# Altium PCB EBAZ4205扩展.PcbDoc (part 3 of 3)
Units mm, origin at the board's own origin, x right, y up, seen from the top; angles counter-clockwise.
Board outline 49.66 x 100.01 mm, 4 copper layers (Top Layer, Power1, Power2, Bottom Layer), stack 0.567 mm thick; 110 components, 105 nets, 505 pads, 287 vias.
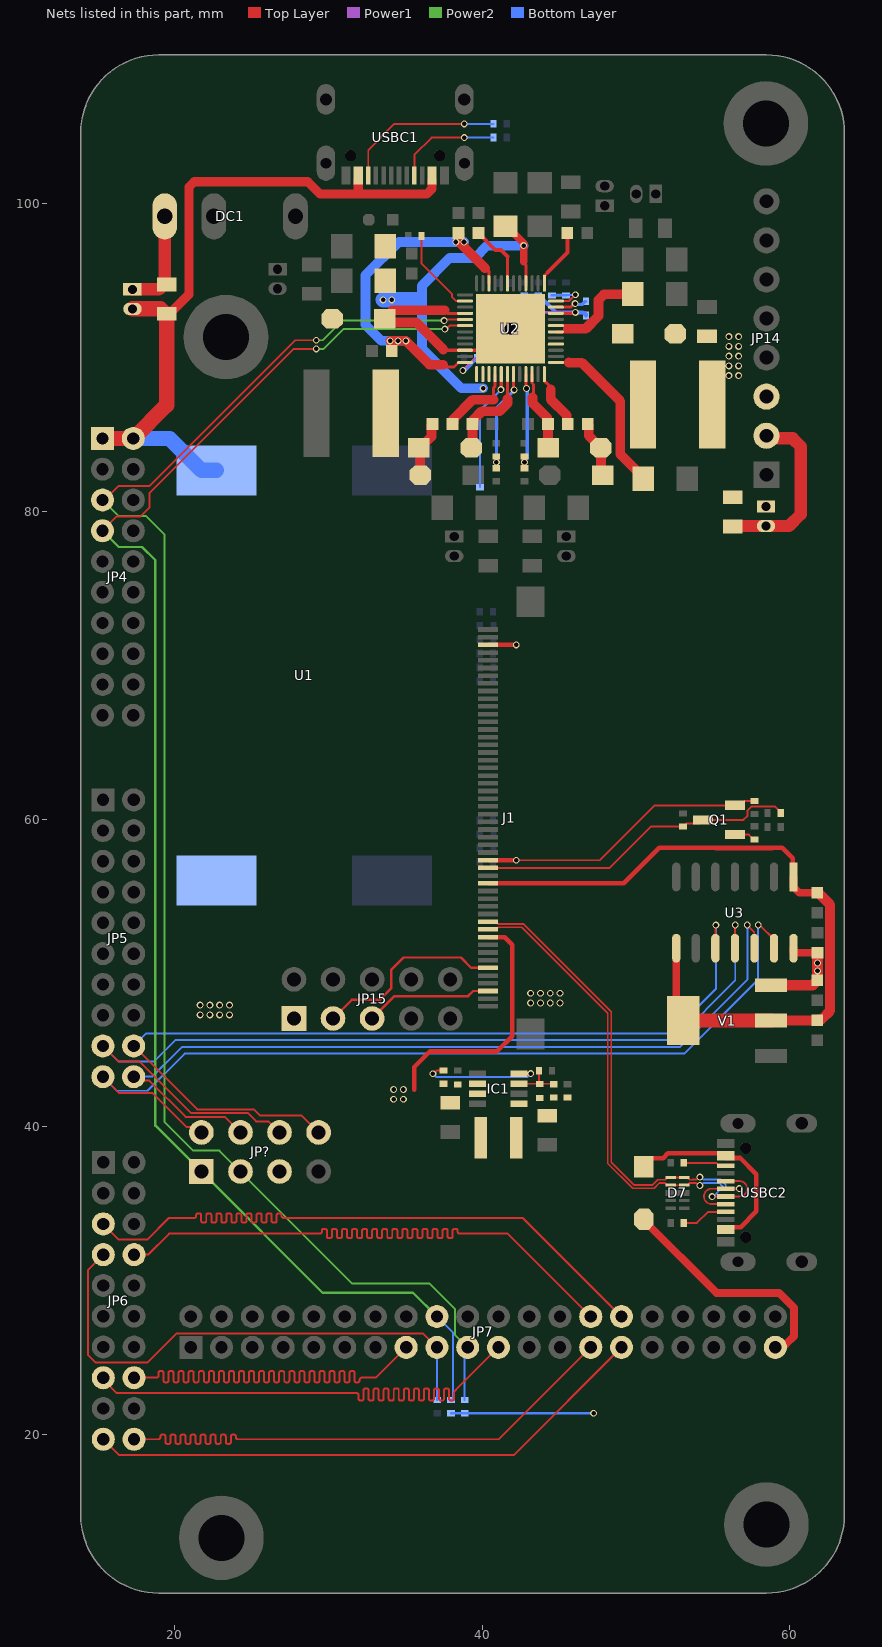
[diagram p5: the nets of this part, all layers, seen from the top]

## Via types
v1: diameter 0.45, hole 0.3, Top Layer to Bottom Layer, tented both sides, 287 vias

## Nets (pads, with @x,y where several pads share a name; then routed paths per layer and width w, separated by ;. In a path a pad name is that pad's centre, name@x,y a point inside that pad or via, vN(x,y) a via of type N, cw(c..) or ccw(c..) an arc to the next point about the centre after c; other vN are vias at no path point) (continued)
HDMI2RGB_P12: JP6.20 JP7.27 | length 39.6
  Top Layer w0.127: JP6.20@17.366,19.684 18.887,19.684 18.951,19.684 ccw(c18.951,19.811) 19.078,19.811 19.078,19.87 cw(c19.192,19.87) 19.192,19.984 19.29,19.984 cw(c19.29,19.87) 19.405,19.87 19.405,19.499 ccw(c19.519,19.499) 19.519,19.384 19.617,19.384 ccw(c19.617,19.499) 19.732,19.499 19.732,19.87 cw(c19.846,19.87) 19.846,19.984 19.944,19.984 cw(c19.944,19.87) 20.059,19.87 20.059,19.499 ccw(c20.173,19.499) 20.173,19.384 20.271,19.384 ccw(c20.271,19.499) 20.386,19.499 20.386,19.87 cw(c20.5,19.87) 20.5,19.984 20.598,19.984 cw(c20.598,19.87) 20.713,19.87 20.713,19.499 ccw(c20.827,19.499) 20.827,19.384 20.925,19.384 ccw(c20.925,19.499) 21.04,19.499 21.04,19.87 cw(c21.154,19.87) 21.154,19.984 21.252,19.984 cw(c21.252,19.87) 21.367,19.87 21.367,19.499 ccw(c21.481,19.499) 21.481,19.384 21.579,19.384 ccw(c21.579,19.499) 21.694,19.499 21.694,19.87 cw(c21.808,19.87) 21.808,19.984 21.906,19.984 cw(c21.906,19.87) 22.021,19.87 22.021,19.499 ccw(c22.135,19.499) 22.135,19.384 22.233,19.384 ccw(c22.233,19.499) 22.348,19.499 22.348,19.87 cw(c22.462,19.87) 22.462,19.984 22.56,19.984 cw(c22.56,19.87) 22.675,19.87 22.675,19.499 ccw(c22.789,19.499) 22.789,19.384 22.887,19.384 ccw(c22.887,19.499) 23.002,19.499 23.002,19.87 cw(c23.116,19.87) 23.116,19.984 23.214,19.984 cw(c23.214,19.87) 23.329,19.87 23.329,19.499 ccw(c23.443,19.499) 23.443,19.384 23.541,19.384 ccw(c23.541,19.499) 23.656,19.499 23.656,19.87 cw(c23.77,19.87) 23.77,19.984 23.868,19.984 cw(c23.868,19.87) 23.983,19.87 23.983,19.811 ccw(c24.11,19.811) 24.11,19.684 24.327,19.684 41.08,19.684 JP7.27@47.057,25.661
HDMI2RGB_P13: JP6.8 JP7.28 | length 45.9
  Top Layer w0.127: JP6.8@17.366,31.684 18.273,31.684 19.647,33.059 22.09,33.059 25.924,33.059 29.384,33.059 29.448,33.059 ccw(c29.448,33.186) 29.575,33.186 29.575,33.245 cw(c29.689,33.245) 29.689,33.359 29.788,33.359 cw(c29.788,33.245) 29.902,33.245 29.902,32.874 ccw(c30.016,32.874) 30.016,32.759 30.115,32.759 ccw(c30.115,32.874) 30.229,32.874 30.229,33.245 cw(c30.343,33.245) 30.343,33.359 30.442,33.359 cw(c30.442,33.245) 30.556,33.245 30.556,32.874 ccw(c30.67,32.874) 30.67,32.759 30.769,32.759 ccw(c30.769,32.874) 30.883,32.874 30.883,33.245 cw(c30.997,33.245) 30.997,33.359 31.096,33.359 cw(c31.096,33.245) 31.21,33.245 31.21,32.874 ccw(c31.324,32.874) 31.324,32.759 31.423,32.759 ccw(c31.423,32.874) 31.537,32.874 31.537,33.245 cw(c31.651,33.245) 31.651,33.359 31.75,33.359 cw(c31.75,33.245) 31.864,33.245 31.864,32.874 ccw(c31.978,32.874) 31.978,32.759 32.077,32.759 ccw(c32.077,32.874) 32.191,32.874 32.191,33.245 cw(c32.305,33.245) 32.305,33.359 32.404,33.359 cw(c32.404,33.245) 32.518,33.245 32.518,32.874 ccw(c32.632,32.874) 32.632,32.759 32.731,32.759 ccw(c32.731,32.874) 32.845,32.874 32.845,33.245 cw(c32.959,33.245) 32.959,33.359 33.058,33.359 cw(c33.058,33.245) 33.172,33.245 33.172,32.874 ccw(c33.286,32.874) 33.286,32.759 33.385,32.759 ccw(c33.385,32.874) 33.499,32.874 33.499,33.245 cw(c33.613,33.245) 33.613,33.359 33.712,33.359 cw(c33.712,33.245) 33.826,33.245 33.826,32.874 ccw(c33.94,32.874) 33.94,32.759 34.039,32.759 ccw(c34.039,32.874) 34.153,32.874 34.153,33.245 cw(c34.267,33.245) 34.267,33.359 34.366,33.359 cw(c34.366,33.245) 34.48,33.245 34.48,32.874 ccw(c34.594,32.874) 34.594,32.759 34.693,32.759 ccw(c34.693,32.874) 34.807,32.874 34.807,33.245 cw(c34.921,33.245) 34.921,33.359 35.02,33.359 cw(c35.02,33.245) 35.134,33.245 35.134,32.874 ccw(c35.248,32.874) 35.248,32.759 35.347,32.759 ccw(c35.347,32.874) 35.461,32.874 35.461,33.245 cw(c35.575,33.245) 35.575,33.359 35.674,33.359 cw(c35.674,33.245) 35.788,33.245 35.788,32.874 ccw(c35.902,32.874) 35.902,32.759 36.001,32.759 ccw(c36.001,32.874) 36.115,32.874 36.115,33.245 cw(c36.229,33.245) 36.229,33.359 36.328,33.359 cw(c36.328,33.245) 36.442,33.245 36.442,32.874 ccw(c36.556,32.874) 36.556,32.759 36.655,32.759 ccw(c36.655,32.874) 36.769,32.874 36.769,33.245 cw(c36.883,33.245) 36.883,33.359 36.982,33.359 cw(c36.982,33.245) 37.096,33.245 37.096,32.874 ccw(c37.21,32.874) 37.21,32.759 37.309,32.759 ccw(c37.309,32.874) 37.423,32.874 37.423,33.245 cw(c37.537,33.245) 37.537,33.359 37.636,33.359 cw(c37.636,33.245) 37.75,33.245 37.75,32.874 ccw(c37.864,32.874) 37.864,32.759 37.963,32.759 ccw(c37.963,32.874) 38.077,32.874 38.077,33.245 cw(c38.191,33.245) 38.191,33.359 38.29,33.359 cw(c38.29,33.245) 38.404,33.245 38.404,33.186 ccw(c38.531,33.186) 38.531,33.059 38.785,33.059 41.658,33.059 JP7.28@47.057,27.661
HDMI2RGB_P14: JP6.19 JP7.29 | length 37
  Top Layer w0.127: JP6.19@15.366,19.684 16.392,18.659 42.055,18.659 JP7.29@49.057,25.661
HDMI2RGB_P15: JP6.5 JP7.30 | length 45.8
  Top Layer w0.127: JP6.5@15.366,33.684 16.383,32.668 18.214,32.668 19.615,34.069 21.215,34.069 21.278,34.069 ccw(c21.278,34.196) 21.405,34.196 21.405,34.254 cw(c21.52,34.254) 21.52,34.369 21.618,34.369 cw(c21.618,34.254) 21.732,34.254 21.732,33.883 ccw(c21.847,33.883) 21.847,33.769 21.945,33.769 ccw(c21.945,33.883) 22.059,33.883 22.059,34.254 cw(c22.174,34.254) 22.174,34.369 22.272,34.369 cw(c22.272,34.254) 22.386,34.254 22.386,33.883 ccw(c22.501,33.883) 22.501,33.769 22.599,33.769 ccw(c22.599,33.883) 22.713,33.883 22.713,34.254 cw(c22.828,34.254) 22.828,34.369 22.926,34.369 cw(c22.926,34.254) 23.04,34.254 23.04,33.883 ccw(c23.155,33.883) 23.155,33.769 23.253,33.769 ccw(c23.253,33.883) 23.367,33.883 23.367,34.254 cw(c23.482,34.254) 23.482,34.369 23.58,34.369 cw(c23.58,34.254) 23.694,34.254 23.694,33.883 ccw(c23.809,33.883) 23.809,33.769 23.907,33.769 ccw(c23.907,33.883) 24.021,33.883 24.021,34.254 cw(c24.136,34.254) 24.136,34.369 24.234,34.369 cw(c24.234,34.254) 24.348,34.254 24.348,33.883 ccw(c24.463,33.883) 24.463,33.769 24.561,33.769 ccw(c24.561,33.883) 24.675,33.883 24.675,34.254 cw(c24.79,34.254) 24.79,34.369 24.888,34.369 cw(c24.888,34.254) 25.002,34.254 25.002,33.883 ccw(c25.117,33.883) 25.117,33.769 25.215,33.769 ccw(c25.215,33.883) 25.329,33.883 25.329,34.254 cw(c25.444,34.254) 25.444,34.369 25.542,34.369 cw(c25.542,34.254) 25.656,34.254 25.656,33.883 ccw(c25.771,33.883) 25.771,33.769 25.869,33.769 ccw(c25.869,33.883) 25.983,33.883 25.983,34.254 cw(c26.098,34.254) 26.098,34.369 26.196,34.369 cw(c26.196,34.254) 26.31,34.254 26.31,33.883 ccw(c26.425,33.883) 26.425,33.769 26.523,33.769 ccw(c26.523,33.883) 26.637,33.883 26.637,34.254 cw(c26.752,34.254) 26.752,34.369 26.85,34.369 cw(c26.85,34.254) 26.964,34.254 26.964,34.196 ccw(c27.091,34.196) 27.091,34.069 27.37,34.069 42.648,34.069 JP7.30@49.057,27.661
HDMI2RGB_PCLK: JP6.16 JP7.15 | length 43.8
  Top Layer w0.127: JP6.16@17.366,23.684 18.765,23.684 18.828,23.684 ccw(c18.828,23.811) 18.955,23.811 18.955,24.004 cw(c19.07,24.004) 19.07,24.118 19.168,24.118 cw(c19.168,24.004) 19.282,24.004 19.282,23.499 ccw(c19.397,23.499) 19.397,23.384 19.495,23.384 ccw(c19.495,23.499) 19.609,23.499 19.609,24.004 cw(c19.724,24.004) 19.724,24.118 19.822,24.118 cw(c19.822,24.004) 19.936,24.004 19.936,23.499 ccw(c20.051,23.499) 20.051,23.384 20.149,23.384 ccw(c20.149,23.499) 20.263,23.499 20.263,24.004 cw(c20.378,24.004) 20.378,24.118 20.476,24.118 cw(c20.476,24.004) 20.59,24.004 20.59,23.499 ccw(c20.705,23.499) 20.705,23.384 20.803,23.384 ccw(c20.803,23.499) 20.917,23.499 20.917,24.004 cw(c21.032,24.004) 21.032,24.118 21.13,24.118 cw(c21.13,24.004) 21.244,24.004 21.244,23.499 ccw(c21.359,23.499) 21.359,23.384 21.457,23.384 ccw(c21.457,23.499) 21.571,23.499 21.571,24.004 cw(c21.686,24.004) 21.686,24.118 21.784,24.118 cw(c21.784,24.004) 21.898,24.004 21.898,23.499 ccw(c22.013,23.499) 22.013,23.384 22.111,23.384 ccw(c22.111,23.499) 22.225,23.499 22.225,24.004 cw(c22.34,24.004) 22.34,24.118 22.438,24.118 cw(c22.438,24.004) 22.552,24.004 22.552,23.499 ccw(c22.667,23.499) 22.667,23.384 22.765,23.384 ccw(c22.765,23.499) 22.879,23.499 22.879,24.004 cw(c22.994,24.004) 22.994,24.118 23.092,24.118 cw(c23.092,24.004) 23.206,24.004 23.206,23.499 ccw(c23.321,23.499) 23.321,23.384 23.419,23.384 ccw(c23.419,23.499) 23.533,23.499 23.533,24.004 cw(c23.648,24.004) 23.648,24.118 23.746,24.118 cw(c23.746,24.004) 23.86,24.004 23.86,23.499 ccw(c23.975,23.499) 23.975,23.384 24.073,23.384 ccw(c24.073,23.499) 24.187,23.499 24.187,24.004 cw(c24.302,24.004) 24.302,24.118 24.4,24.118 cw(c24.4,24.004) 24.514,24.004 24.514,23.499 ccw(c24.629,23.499) 24.629,23.384 24.727,23.384 ccw(c24.727,23.499) 24.841,23.499 24.841,24.004 cw(c24.956,24.004) 24.956,24.118 25.054,24.118 cw(c25.054,24.004) 25.168,24.004 25.168,23.499 ccw(c25.283,23.499) 25.283,23.384 25.381,23.384 ccw(c25.381,23.499) 25.495,23.499 25.495,24.004 cw(c25.61,24.004) 25.61,24.118 25.708,24.118 cw(c25.708,24.004) 25.822,24.004 25.822,23.499 ccw(c25.937,23.499) 25.937,23.384 26.035,23.384 ccw(c26.035,23.499) 26.149,23.499 26.149,24.004 cw(c26.264,24.004) 26.264,24.118 26.362,24.118 cw(c26.362,24.004) 26.476,24.004 26.476,23.499 ccw(c26.591,23.499) 26.591,23.384 26.689,23.384 ccw(c26.689,23.499) 26.803,23.499 26.803,24.004 cw(c26.918,24.004) 26.918,24.118 27.016,24.118 cw(c27.016,24.004) 27.13,24.004 27.13,23.499 ccw(c27.245,23.499) 27.245,23.384 27.343,23.384 ccw(c27.343,23.499) 27.457,23.499 27.457,24.004 cw(c27.572,24.004) 27.572,24.118 27.67,24.118 cw(c27.67,24.004) 27.784,24.004 27.784,23.499 ccw(c27.899,23.499) 27.899,23.384 27.997,23.384 ccw(c27.997,23.499) 28.111,23.499 28.111,24.004 cw(c28.226,24.004) 28.226,24.118 28.324,24.118 cw(c28.324,24.004) 28.438,24.004 28.438,23.499 ccw(c28.553,23.499) 28.553,23.384 28.651,23.384 ccw(c28.651,23.499) 28.765,23.499 28.765,24.004 cw(c28.88,24.004) 28.88,24.118 28.978,24.118 cw(c28.978,24.004) 29.092,24.004 29.092,23.499 ccw(c29.207,23.499) 29.207,23.384 29.305,23.384 ccw(c29.305,23.499) 29.419,23.499 29.419,24.004 cw(c29.534,24.004) 29.534,24.118 29.632,24.118 cw(c29.632,24.004) 29.746,24.004 29.746,23.499 ccw(c29.861,23.499) 29.861,23.384 29.959,23.384 ccw(c29.959,23.499) 30.073,23.499 30.073,24.004 cw(c30.188,24.004) 30.188,24.118 30.286,24.118 cw(c30.286,24.004) 30.4,24.004 30.4,23.499 ccw(c30.515,23.499) 30.515,23.384 30.613,23.384 ccw(c30.613,23.499) 30.727,23.499 30.727,24.004 cw(c30.842,24.004) 30.842,24.118 30.94,24.118 cw(c30.94,24.004) 31.054,24.004 31.054,23.499 ccw(c31.169,23.499) 31.169,23.384 31.267,23.384 ccw(c31.267,23.499) 31.381,23.499 31.381,24.004 cw(c31.496,24.004) 31.496,24.118 31.594,24.118 cw(c31.594,24.004) 31.708,24.004 31.708,23.499 ccw(c31.823,23.499) 31.823,23.384 31.921,23.384 ccw(c31.921,23.499) 32.035,23.499 32.035,23.557 cw(c32.162,23.557) 32.162,23.684 32.377,23.684 33.08,23.684 JP7.15@35.057,25.661
HDMI2RGB_VS: JP6.15 JP7.21 | length 40.6
  Top Layer w0.127: JP6.15@15.366,23.684 15.366,23.554 16.238,22.682 31.579,22.682 31.833,22.682 cw(c31.833,22.555) 31.96,22.555 31.96,22.316 ccw(c32.074,22.316) 32.074,22.201 32.172,22.201 ccw(c32.172,22.316) 32.287,22.316 32.287,22.867 cw(c32.401,22.867) 32.401,22.982 32.499,22.982 cw(c32.499,22.867) 32.614,22.867 32.614,22.316 ccw(c32.728,22.316) 32.728,22.201 32.826,22.201 ccw(c32.826,22.316) 32.941,22.316 32.941,22.867 cw(c33.055,22.867) 33.055,22.982 33.153,22.982 cw(c33.153,22.867) 33.268,22.867 33.268,22.316 ccw(c33.382,22.316) 33.382,22.201 33.48,22.201 ccw(c33.48,22.316) 33.595,22.316 33.595,22.867 cw(c33.709,22.867) 33.709,22.982 33.807,22.982 cw(c33.807,22.867) 33.922,22.867 33.922,22.316 ccw(c34.036,22.316) 34.036,22.201 34.134,22.201 ccw(c34.134,22.316) 34.249,22.316 34.249,22.867 cw(c34.363,22.867) 34.363,22.982 34.461,22.982 cw(c34.461,22.867) 34.576,22.867 34.576,22.316 ccw(c34.69,22.316) 34.69,22.201 34.788,22.201 ccw(c34.788,22.316) 34.903,22.316 34.903,22.867 cw(c35.017,22.867) 35.017,22.982 35.115,22.982 cw(c35.115,22.867) 35.23,22.867 35.23,22.316 ccw(c35.344,22.316) 35.344,22.201 35.442,22.201 ccw(c35.442,22.316) 35.557,22.316 35.557,22.867 cw(c35.671,22.867) 35.671,22.982 35.769,22.982 cw(c35.769,22.867) 35.884,22.867 35.884,22.316 ccw(c35.998,22.316) 35.998,22.201 36.096,22.201 ccw(c36.096,22.316) 36.211,22.316 36.211,22.867 cw(c36.325,22.867) 36.325,22.982 36.423,22.982 cw(c36.423,22.867) 36.538,22.867 36.538,22.316 ccw(c36.652,22.316) 36.652,22.201 36.75,22.201 ccw(c36.75,22.316) 36.865,22.316 36.865,22.867 cw(c36.979,22.867) 36.979,22.982 37.077,22.982 cw(c37.077,22.867) 37.192,22.867 37.192,22.316 ccw(c37.306,22.316) 37.306,22.201 37.404,22.201 ccw(c37.404,22.316) 37.519,22.316 37.519,22.867 cw(c37.633,22.867) 37.633,22.982 37.731,22.982 cw(c37.731,22.867) 37.846,22.867 37.846,22.316 ccw(c37.96,22.316) 37.96,22.201 38.058,22.201 ccw(c38.058,22.316) 38.173,22.316 38.173,22.696 cw(c38.368,22.696) 38.23,22.834 38.293,22.897 JP7.21@41.057,25.661
HUB_N: D7.5 D7.6 J1.12 USBC2.A7 USBC2.B7 | length 34.2
  Top Layer w0.117: J1.12@40.392,53.33 40.892,53.33 41.033,53.189 42.667,53.189 48.384,47.472 48.384,37.703 49.866,36.221 51.085,36.221 51.425,36.56 51.907,36.56 51.976,36.629 51.976,36.66 52.017,36.701 D7.6@52.255,36.701 D7.5@53.13,36.701 53.367,36.701 53.409,36.66 53.409,36.629 53.477,36.56 53.65,36.56 53.653,36.563 53.918,36.563 54.084,36.728 v1(54.153,36.728) v1@54.126,36.701 ; USBC2.B7@55.817,34.974 54.915,34.974 cw(c54.915,35.469) 54.42,35.469 cw(c54.925,35.469) 54.925,35.974 USBC2.A7@55.817,35.974 ; USBC2.A7@55.822,35.979 USBC2.A7@55.831,35.97 55.837,35.975 56.704,35.975 v1(56.71,35.981)
  Bottom Layer w0.117: v1(54.153,36.728) 54.222,36.728 54.388,36.563 55.505,36.563 55.832,36.236 55.832,36.098 55.948,35.981 v1(56.71,35.981)
HUB_P: D7.4 D7.7 J1.11 USBC2.A6 USBC2.B6 | length 33.8
  Top Layer w0.117: J1.11@40.392,52.83 40.892,52.83 41.033,52.971 42.577,52.971 48.165,47.382 48.165,37.612 49.775,36.002 51.176,36.002 51.515,36.342 51.907,36.342 51.976,36.274 51.976,36.243 52.017,36.201 D7.7@52.255,36.201 D7.4@53.13,36.201 53.367,36.201 53.409,36.243 53.409,36.274 53.477,36.342 53.741,36.342 53.743,36.344 53.918,36.344 54.084,36.178 v1(54.153,36.178) v1@54.13,36.201 ; v1(54.951,35.459) 54.957,35.464 55.824,35.464 USBC2.A6@55.83,35.47 ; USBC2.B6@55.83,36.47 56.731,36.47 cw(c56.731,35.975) 57.226,35.975 cw(c56.721,35.975) 56.721,35.47 USBC2.A6@55.83,35.47 ; USBC2.A6@55.839,35.46 USBC2.A6@55.83,35.47
  Bottom Layer w0.117: v1(54.153,36.178) 54.222,36.178 54.388,36.344 55.415,36.344 55.613,36.146 55.613,36.049 55.023,35.459 v1(54.951,35.459)
KB_VBUS: D8.1 USBC2.A4 USBC2.A9 USBC2.B4 USBC2.B9 | length 13
  Top Layer w0.3: D8.1@50.508,37.416 50.508,37.479 50.993,37.964 51.76,37.964 52.066,38.27 USBC2.A9@55.83,38.27 ; USBC2.B4@55.83,37.97 56.764,37.97 57.823,36.911 57.823,34.496 56.797,33.47 USBC2.B9@55.834,33.47
NetC1_2: C1.2 IC1.7 R5.2 R6.2 | length 3.1
  Top Layer w0.127: IC1.7@42.4,42.798 C1.2@43.716,42.798 ; R6.2@43.681,43.633 43.681,42.833 C1.2@43.716,42.798 ; C1.2@43.733,42.781 C1.2@43.716,42.798 ; R5.2@44.655,42.764 44.621,42.798 C1.2@43.716,42.798
NetC9_2: C9.2 C11.2 D1.2 U2.37 U2.42 U2.43 | length 17.8
  Top Layer w0.2: U2.42@44.79,91.685 45.526,91.685 45.532,91.691 ; U2.43@44.79,92.085 45.627,92.085 ; U2.37@45.219,89.685 45.634,89.685
  Top Layer w0.635: 45.586,91.884 46.731,91.884 47.554,92.707 47.554,93.748 47.926,94.12 49.762,94.12 C9.2@49.787,94.145 ; 45.634,89.685 45.644,89.675 46.472,89.675 48.977,87.17 48.977,83.716 50.473,82.22 C11.2@50.473,82.131
NetC10_1: C10.1 C12.1 C15.1 D2.1 U2.4 U2.16 U2.22 U2.26 U2.27 U2.49 U2.49_1 | length 37.1
  Top Layer w0.2: 37.471,90.539 37.524,90.485 U2.22@38.889,90.485 40.439,90.485 41.814,91.859 U2.49@41.839,91.859 ; 37.547,93.079 37.741,92.885 U2.16@38.889,92.885 ; 42.703,96.171 42.839,96.034 U2.4@42.839,94.835
  Top Layer w0.508: C15.1@41.509,98.533 41.598,98.533 42.697,97.434 v1(42.697,97.282) 42.703,97.276 42.703,96.247
  Top Layer w0.635: D2.1@34.033,92.291 35.718,92.291 37.471,90.539 ; D2.1@34.169,93.079 37.547,93.079
  Bottom Layer w0.635: v1(40.061,88.009) 38.654,88.009 36.081,90.582 36.081,93.764 36.081,94.68 37.884,96.482 39.517,96.482 40.317,97.282 v1(42.697,97.282)
  Bottom Layer w1: v1(33.559,93.764) v1(34.118,93.764) 35.718,93.764
NetC14_2: C14.2 U2.1 | length 3.9
  Top Layer w0.2: U2.1@44.039,94.835 44.039,95.329 44.252,95.542
  Top Layer w0.254: 44.252,95.542 45.558,96.848 45.558,98.082 C14.2@45.533,98.108
NetC16_2: C16.2 U2.7 | length 4.3
  Top Layer w0.2: U2.7@41.639,94.835 41.639,96.589
  Top Layer w0.254: C16.2@39.757,98.108 40.849,97.016 41.213,97.016 41.639,96.589
NetC17_2: C17.2 D4.1 U2.34 | length 5.3
  Top Layer w0.2: U2.34@43.239,88.934 43.239,88.351 43.329,88.261 43.329,87.488 43.262,87.42
  Top Layer w0.635: 43.262,87.42 43.262,87.059 44.212,86.109 44.212,85.751 C17.2@44.275,85.687 44.279,85.683 44.279,84.142 D4.1@44.283,84.138
NetC18_1: C18.1 D5.2 U2.30 | length 6.5
  Top Layer w0.2: 41.639,87.316 U2.30@41.639,88.934
  Top Layer w0.635: D5.2@39.292,84.138 39.36,84.206 39.36,85.624 39.427,85.624 39.427,85.976 39.97,86.519 41.121,86.519 41.639,87.037 41.639,87.316
NetC22_1: C22.1 D3.1 D4.2 | length 3.8
  Top Layer w0.635: C22.1@46.866,85.687 46.93,85.624 46.93,84.921 D4.2@47.712,84.138 D4.2@47.717,84.133 ; D4.2@47.769,84.081 D4.2@47.717,84.133 ; D3.1@47.827,82.36 47.717,82.47 D4.2@47.717,84.133
NetC22_2: C22.2 U2.36 | length 3.9
  Top Layer w0.2: U2.36@44.039,88.934 44.039,88.506 44.456,88.09 44.456,87.948
  Top Layer w0.635: 44.456,87.948 44.456,87.287 45.503,86.24 45.503,85.751 C22.2@45.566,85.687
NetC23_1: C23.1 U2.28 | length 5.2
  Top Layer w0.2: 40.73,87.271 40.73,88.038 40.839,88.147 U2.28@40.839,88.934
  Top Layer w0.635: C23.1@38.063,85.687 38.126,85.751 38.126,86.013 39.384,87.271 40.73,87.271
NetC23_2: C23.2 D5.1 D6.2 | length 3.7
  Top Layer w0.635: D6.2@35.978,82.36 35.978,84.189 36.244,84.455 36.295,84.455 36.706,84.866 36.706,85.63 C23.2@36.763,85.687
NetD1_1: D1.1 L2.1 U2.40
NetD2_2: D2.2 L3.1 U2.25
NetIC1_3: IC1.3 L1.1
NetIC1_8: IC1.8 R4.1 | length 8.1
  Top Layer w0.127: v1(36.793,43.448) 36.842,43.448 37.043,43.649 R4.1@37.484,43.649 ; IC1.8@42.4,43.448 42.406,43.454 v1(43.156,43.454)
  Bottom Layer w0.127: v1(36.793,43.448) 36.806,43.448 37.029,43.225 42.92,43.225 43.149,43.454 v1(43.156,43.454)
NetJ1_19: J1.19 Q1.3 R34.2 R37.1 | length 21.1
  Top Layer w0.127: J1.19@40.392,56.83 48.286,56.83 50.98,59.524 53.108,59.524 53.296,59.712 54.108,59.712 Q1.3@54.344,59.949 56.986,59.949 57.258,60.221 57.258,60.57 57.496,60.808 59.046,60.808 59.409,60.444 R34.2@59.409,60.394
NetQ1_1: Q1.1 R36.1 | length 1.4
  Top Layer w0.127: Q1.1@56.444,58.999 57.343,58.999 57.656,58.686 R36.1@57.706,58.686
NetR1_1: R1.1 USBC1.B5 | length 10.5
  Top Layer w0.127: USBC1.B5@32.591,101.843 32.591,103.5 34.289,105.199 v1(38.832,105.199)
  Bottom Layer w0.127: v1(38.832,105.199) 40.733,105.199 R1.1@40.745,105.211
NetR2_2: R2.2 USBC1.A5 | length 7
  Top Layer w0.127: USBC1.A5@35.591,101.843 35.592,103.191 36.71,104.31 v1(38.832,104.31)
  Bottom Layer w0.127: v1(38.832,104.31) 40.733,104.31 R2.2@40.745,104.322
NetR20_2: R20.2 R22.1 U2.33 | length 6.3
  Top Layer w0.2: U2.33@42.839,88.934 42.84,88.04 v1(42.881,87.999)
  Top Layer w0.356: R20.2@42.747,82.817 v1(42.747,83.201) R22.1@42.747,83.586
  Bottom Layer w0.2: v1(42.881,87.999) 42.927,87.953 42.927,83.449
NetR21_2: R21.2 R23.1 U2.31 | length 7
  Top Layer w0.152: R21.2@40.918,82.817 v1(40.918,83.201) R23.1@40.918,83.586
  Top Layer w0.2: U2.31@42.039,88.934 42.04,87.945 v1(42.076,87.909)
  Bottom Layer w0.2: v1(40.918,83.201) 40.918,86.725 42.076,87.882 v1(42.076,87.909)
NetR25_1: R25.1 R26.1 U2.47 | length 3
  Top Layer w0.152: U2.47@44.79,93.685 45.644,93.685 46.054,94.095 v1(46.056,94.095)
  Bottom Layer w0.152: R26.1@44.532,94.051 R25.1@45.446,94.051 45.468,94.073 46.034,94.073 v1(46.056,94.095)
NetR29_1: R29.1 U2.14 | length 5.8
  Top Layer w0.127: R29.1@36.043,97.917 36.043,96.143 38.046,94.139 38.046,93.944 38.305,93.686 38.888,93.686 U2.14@38.889,93.685
NetR39_1: R39.1 USBC2.B5 | length 2.8
  Top Layer w0.127: R39.1@53.107,37.657 55.217,37.657 55.405,37.47 USBC2.B5@55.83,37.47
NetR40_2: R40.2 USBC2.A5 | length 3
  Top Layer w0.127: R40.2@53.107,33.746 53.962,33.746 54.686,34.47 USBC2.A5@55.829,34.47
RESET: JP6.7 JP7.17 R10.2 | length 34.4
  Top Layer w0.127: JP6.7@15.366,31.684 14.365,30.683 14.365,25.165 14.865,24.665 18.228,24.665 20.136,26.574 36.143,26.574 JP7.17@37.057,25.661
  Bottom Layer w0.127: JP7.17@37.057,25.661 37.057,22.252 R10.2@37.084,22.225
RXD: J1.3 JP15.5 | length 8.3
  Top Layer w0.152: JP15.5@32.842,47.041 34.295,48.494 39.086,48.494 39.422,48.83 J1.3@40.392,48.83
SCL: JP4.5 JP7.19 JP?.3 R8.1 U2.17 | length 101.9
  Top Layer w0.127: JP4.5@15.316,80.751 15.458,80.751 16.374,81.667 18.387,81.667 27.856,91.135 v1(29.21,91.135) ; v1(37.524,92.407) 37.591,92.407 37.669,92.485 U2.17@38.889,92.485
  Power2 w0.127: JP4.5@15.316,80.751 16.363,79.703 18.154,79.703 19.337,78.521 19.337,40.332 21.223,38.446 22.908,38.446 24.271,37.084 24.282,37.084 31.558,29.808 36.589,29.808 38.229,28.169 38.229,26.488 JP7.19@39.057,25.661 ; v1(29.21,91.135) 29.634,91.135 30.906,92.407 v1(37.524,92.407)
  Bottom Layer w0.127: R8.1@38.862,22.225 38.862,25.466 JP7.19@39.057,25.661
SDA: JP4.7 JP7.18 JP?.1 R9.1 U2.18 | length 100
  Top Layer w0.127: JP4.7@15.316,78.751 16.254,79.689 17.799,79.689 18.36,80.249 18.36,81.187 27.749,90.576 v1(29.21,90.576) ; v1(37.572,91.859) 37.652,91.859 37.877,92.085 U2.18@38.889,92.085
  Power2 w0.127: v1(29.21,90.576) 29.686,90.576 30.969,91.859 v1(37.572,91.859)
  Power2 w0.155: JP4.7@15.316,78.751 16.372,77.695 17.886,77.695 18.749,76.832 18.749,40.077 21.742,37.084 29.614,29.213 35.505,29.213 JP7.18@37.057,27.661
  Bottom Layer w0.127: JP7.18@37.057,27.661 38.109,26.608 38.109,22.361 R9.1@37.973,22.225
SPI_MISO: JP5.19 JP?.2 U3.13 | length 59.4
  Top Layer w0.127: JP5.19@15.341,43.256 16.412,42.185 18.576,42.185 20.778,39.983 21.392,39.983 JP?.2@21.744,39.63 ; v1(57.945,53.115) 58.032,53.115 58.972,52.176 U3.13@58.972,51.611
  Bottom Layer w0.127: JP5.19@15.341,43.256 16.255,42.342 18.24,42.342 20.659,44.761 53.131,44.761 57.945,49.574 v1(57.945,53.115)
SPI_MOSI: JP5.20 JP?.4 U3.12 | length 56.2
  Top Layer w0.127: JP5.20@17.341,43.256 17.591,43.006 18.363,43.006 20.724,40.644 23.271,40.644 JP?.4@24.284,39.63 ; v1(57.234,53.115) 57.688,52.662 57.688,51.625 U3.12@57.702,51.611
  Bottom Layer w0.127: JP5.20@17.341,43.256 17.354,43.269 18.561,43.269 20.488,45.196 52.863,45.196 57.234,49.566 v1(57.234,53.115)
SPI_SCLK: JP5.17 JP?.6 U3.11 | length 62.7
  Top Layer w0.127: JP5.17@15.341,45.256 16.363,44.234 17.735,44.234 21.061,40.908 24.749,40.908 25.301,40.357 26.098,40.357 JP?.6@26.824,39.63 ; U3.11@56.432,51.611 56.441,51.62 56.441,53.112 v1(56.45,53.121)
  Bottom Layer w0.127: JP5.17@15.341,45.256 16.362,44.235 18.654,44.235 20.05,45.631 52.569,45.631 56.45,49.512 v1(56.45,53.121)
SPI_SS1: JP5.18 JP?.8 U3.10 | length 59.4
  Top Layer w0.127: JP5.18@17.341,45.256 21.461,41.135 25.154,41.135 25.542,40.747 28.248,40.747 JP?.8@29.364,39.63 ; U3.10@55.162,51.611 55.177,51.627 55.177,53.094 v1(55.192,53.11)
  Bottom Layer w0.127: JP5.18@17.341,45.256 18.154,46.068 52.303,46.068 55.192,48.958 v1(55.192,53.11)
TXD: J1.6 JP15.3 | length 12.7
  Top Layer w0.152: JP15.3@30.302,47.041 31.512,48.251 33.332,48.251 34.096,49.014 34.096,50.215 34.883,51.003 38.619,51.003 39.292,50.33 J1.6@40.392,50.33
V3P3: C28.1 U2.46 | length 2.2
  Top Layer w0.2: U2.46@44.79,93.285 45.743,93.285 45.979,93.52 v1(46.046,93.52)
  Bottom Layer w0.2: v1(46.046,93.52) 46.138,93.52 46.204,93.455 46.524,93.455 46.533,93.463 46.533,93.512 46.546,93.512 46.697,93.663 C28.1@46.749,93.663
VCC_1V8_ROM: C32.2 C33.2 J1.17 U3.1 U3.8 V1.2 V1.4 | length 47.4
  Top Layer w0.3: J1.17@40.392,55.83 49.214,55.83 51.514,58.13 55.18,58.13 55.184,58.126 58.85,58.126 58.854,58.13 59.52,58.13 60.202,57.448 60.202,56.283 U3.1@60.242,56.243
  Top Layer w0.5: U3.8@52.622,51.611 52.622,47.352 V1.4@53.07,46.904 ; U3.1@60.242,56.243 60.242,55.577 60.61,55.208 C33.2@61.787,55.208
  Top Layer w0.65: V1.2@58.77,46.904 58.781,46.915 61.778,46.915 61.846,46.982 62.058,46.982 62.625,47.549 62.625,54.433 61.906,55.152 61.843,55.152 C33.2@61.787,55.208
  Top Layer w0.9: V1.4@53.07,46.904 V1.2@58.77,46.904
VCC_3V3: C1.1 C4.2 C27.1 C31.2 C34.1 IC1.5 J1.20 J1.48 JP14.3 JP15.1 JP?.5 L1.2 Q1.2 R5.1 R7.2 R8.2 R9.2 R28.2 R30.2 R31.2 R35.1 U2.45 U3.14 V1.3 | length 52.9
  Top Layer w0.127: v1(42.215,57.328) 47.633,57.328 51.204,60.899 56.794,60.899 57.082,61.187 R35.1@57.706,61.187
  Top Layer w0.2: U2.45@44.79,92.885 45.921,92.885 45.988,92.952 v1(46.056,92.952)
  Top Layer w0.3: J1.20@40.392,57.33 42.213,57.33 v1(42.215,57.328) ; J1.48@40.392,71.33 42.213,71.33 v1(42.215,71.328)
  Top Layer w0.5: U3.14@60.242,51.611 60.242,51.339 60.261,51.32 C34.1@61.799,51.32
  Top Layer w0.7: V1.3@58.77,49.204 61.468,49.204 C31.2@61.791,49.528 61.791,49.552 61.798,49.559 v1(61.798,50.14) v1(61.798,50.648) C34.1@61.798,51.319
  Power1 w0.152: v1(38.741,89.167) 40.322,90.748 41.545,90.748 43.748,92.952 v1(46.056,92.952)
  Bottom Layer w0.152: R9.2@37.973,21.375 v1(47.248,21.375) ; v1(38.741,89.167) 38.778,89.204 38.948,89.204 39.674,89.93 R30.2@39.674,89.98
  Bottom Layer w0.254: R28.2@42.728,94.051 R31.2@43.642,94.051 43.692,94.051 44.791,92.952 v1(46.056,92.952) 46.527,92.952 46.607,92.871 46.676,92.871 46.749,92.798 C27.1@46.749,92.748
  other v1: 43.153,48.046 43.788,48.046 44.423,48.046 45.058,48.046 43.153,48.681 43.788,48.681 44.423,48.681 45.058,48.681
VCC_5V0: C2.2 C3.2 D8.2 IC1.2 J1.10 JP7.39 JP8.2 JP14.2 R4.2 R11.2 U1.3 | length 43.6
  Top Layer w0.3: 35.586,42.416 35.586,43.887 36.592,44.893 40.958,44.893 41.949,45.884 41.949,51.846 41.466,52.33 J1.10@40.392,52.33
  Top Layer w0.508: D8.2@50.508,33.987 50.508,33.923 55.239,29.192 59.302,29.192 60.269,28.225 60.269,26.383 59.737,25.85 59.246,25.85 JP7.39@59.057,25.661
  Top Layer w0.8: R11.2@56.292,79.025 56.328,79.061 59.951,79.061 60.71,79.82 60.71,84.23 60.185,84.756 58.649,84.756 JP14.2@58.477,84.928
  other v1: 34.237,41.788 34.872,41.788 34.237,42.423 34.872,42.423 21.663,47.271 22.298,47.271 22.933,47.271 23.568,47.271 21.663,47.906 22.298,47.906 22.933,47.906 23.568,47.906
VCC_5V0_EPD_PWR: C5.2 C6.1 C7.2 JP8.1 L2.2 R11.1 U2.10 U2.24 | length 23.4
  Top Layer w0.2: 37.445,89.548 37.598,89.396 38.171,89.396 38.461,89.685 U2.24@38.889,89.685 ; 40.188,95.822 40.251,95.759 40.322,95.759 40.439,95.642 U2.10@40.439,94.835
  Top Layer w0.635: v1(34.016,91.097) v1(35.032,91.097) 36.582,89.548 37.445,89.548 ; C5.2@38.461,98.108 38.525,98.044 38.525,97.485 40.188,95.822
  Bottom Layer w0.635: v1(35.032,91.097) v1(34.524,91.097) v1(34.016,91.097) 33.457,91.097 32.416,92.139 32.416,95.365 34.575,97.524 37.801,97.524 38.309,97.524 v1(38.817,97.524)
  other v1: 56.039,88.832 56.674,88.832 56.039,89.467 56.674,89.467 56.039,90.102 56.674,90.102 56.039,90.737 56.674,90.737 56.039,91.372 56.674,91.372 38.283,97.524
VCC_12V0: JP3.2 JP4.1 JP4.2 R3.2 U1.1 USBC1.A4 USBC1.A9 USBC1.B4 USBC1.B9 | length 46.1
  Top Layer w0.6: R3.2@19.482,92.856 19.673,92.856 20.932,94.115 20.932,101.091 21.283,101.442 28.663,101.442 29.47,100.635 36.385,100.635 36.74,100.991 USBC1.B9@36.74,101.531 ; 31.94,100.987 USBC1.A9@31.94,101.527
  Top Layer w1: JP4.1@15.316,84.751 JP4.2@17.316,84.751 19.482,86.917 R3.2@19.482,92.856 19.403,92.856 19.088,93.171 JP3.2@17.263,93.171
  Bottom Layer w1: JP4.2@17.316,84.751 19.674,84.751 21.748,82.677 U1.1@22.723,82.677
VCC_12V0_T: DC1.1 JP3.1 R3.1 | length 6.8
  Top Layer w0.8: JP3.1@17.263,94.441 18.977,94.441 19.292,94.756 R3.1@19.403,94.756 ; DC1.1@19.359,99.19 19.359,94.8 R3.1@19.403,94.756 ; R3.1@19.482,94.756 R3.1@19.403,94.756
VEE_DIS: R33.1 U2.29 | length 7.5
  Top Layer w0.2: v1(41.214,87.921) 41.239,87.946 U2.29@41.239,88.506
  Bottom Layer w0.127: 39.832,86.539 39.853,86.518 R33.1@39.853,81.578
  Bottom Layer w0.152: 39.832,86.539 v1(41.214,87.921)
pads on no net: D7.1 D7.2 D7.9 D7.10 IC1.1 JP4.9 JP5.1 JP5.2 JP5.9 JP6.1 JP6.2 JP6.9 JP7.1 JP7.2 JP7.3 JP7.4 JP7.5 JP7.6 JP7.7 JP7.8 JP7.9 JP7.10 JP7.11 JP7.12 JP7.13 JP7.14 JP7.16 JP7.31 JP7.32 JP7.33 JP7.34 JP7.35 JP7.36 JP7.37 JP7.38 U2.11 U2.13 U2.20 U2.38 U2.39 U3.6 U3.9 USBC1. USBC1.A6 USBC1.A7 USBC1.A8 USBC1.B6 USBC1.B7 USBC1.B8 USBC2. USBC2.A8 USBC2.B8

## Polygon pours and split planes (outlines as drawn)
NetD2_2 on Top Layer "NETD2_2_L01_P069" (solid, remove dead copper, pour order 69): 39.545,88.84 39.545,89.368 39.731,89.368 39.731,88.471 39.005,87.745 35.717,87.745 34.548,86.583 34.548,83.612 34.503,83.568 32.415,83.568 32.016,83.967 32.016,87.611 29.597,90.03 29.597,92.342 30.892,92.342 30.892,90.678 32.263,89.307 32.275,89.319 35.204,89.319 35.762,88.761 39.466,88.761
EPD_VCOM_T on Top Layer "EPD_VCOM_T_L01_P085" (solid, remove dead copper, pour order 85): 35.926,94.61 35.752,94.436 34.677,94.436 34.529,94.585 34.529,95.838 34.69,96 35.831,96 35.926,95.905
VCC_5V0_EPD_PWR on Top Layer "VCC_5V0_EPD_PWR_L01_P087" (solid, remove dead copper, pour order 87): 39.22,98.772 39.172,98.819 37.775,98.819 37.623,98.667 37.623,97.346 37.75,97.219 39.009,97.219 39.22,97.429
VCC_5V0_EPD_PWR on Top Layer "VCC_5V0_EPD_PWR_L01_P089" (solid, remove dead copper, pour order 89): 33.737,91.478 33.737,89.954 35.489,89.954 35.489,91.25 35.261,91.478
NetC10_1 on Top Layer "NETC10_1_L01_P091" (solid, remove dead copper, pour order 91): 32.756,91.884 34.402,91.884 34.402,91.885 34.402,98.036 32.694,98.036 32.388,97.73 32.388,92.252
NetD1_1 on Top Layer "NETD1_1_L01_P095" (solid, remove dead copper, pour order 95): 48.393,91.359 48.012,90.979 44.884,90.979 44.691,90.786 45.368,90.786 45.79,90.364 48.044,90.364 48.393,90.02 48.393,88.557 49.586,87.364 49.586,84.062 49.637,84.011 51.288,84.011 51.593,84.316 51.593,91.113 50.389,92.317 48.545,92.317 48.393,92.164
VCC_5V0_EPD_PWR on Top Layer "VCC_5V0_EPD_PWR_L01_P098" (solid, remove dead copper, pour order 98): 55.183,84.114 55.657,83.64 55.657,80.343 56.107,79.894 59.106,79.894 59.106,80.763 58.971,80.899 57.459,80.899 56.965,81.393 56.965,84.303 57.283,84.62 57.283,91.326 56.631,91.977 53.701,91.977 53.701,84.114
NetC9_2 on Top Layer "NETC9_2_L01_P101" (solid, remove dead copper, pour order 101): 48.85,93.383 49.205,93.028 49.84,93.028 51.745,91.123 51.745,84.29 51.085,83.63 49.434,83.63 49.434,81.293 49.79,80.937 51.999,80.937 52.427,81.365 52.427,83.031 53.574,84.178 53.574,91.876 53.007,92.444 52.507,92.444 50.887,94.064 50.887,94.953 50.704,95.136 49.104,95.136 48.85,94.882
NetC10_1 on Top Layer "NETC10_1_L01_P102" (solid, remove dead copper, pour order 102): 40.536,88.583 40.536,88.27 40.315,88.049 40.315,87.795 40.265,87.745 39.858,87.745 39.807,87.795 39.807,88.227 39.942,88.362 39.942,88.583 40.138,88.583 40.138,88.38 40.163,88.354 40.315,88.354 40.341,88.38 40.341,88.583
VCC_5V0 on Top Layer "VCC_5V0_L01_P103" (solid, pour order 103): 24.185,48.11 23.859,48.436 21.421,48.436 21.033,48.047 21.033,46.858 26.682,41.144 38.56,41.144 38.687,41.271 38.687,42.312 38.949,42.573 40.242,42.573 40.242,43.023 29.272,43.023
NetIC1_3 on Top Layer "NETIC1_3_L01_P104" (solid, remove dead copper, pour order 104): 39.149,42.373 40.972,42.373 41.304,42.041 41.304,37.893 39.5,37.893 39.5,40.619 40.288,40.619 40.491,40.822 40.491,41.838 40.406,41.923 39.149,41.923
VCC_3V3 on Top Layer "VCC_3V3_L01_P120" (solid, pour order 120): 42.867,47.373 42.548,47.691 42.548,48.979 42.9,49.331 45.84,49.331 47.908,47.263 47.908,40.792 47.229,40.112 42.933,40.112 42.624,39.803 42.624,37.893 41.405,37.893 41.405,41.728 43.056,41.728 43.511,42.182 45.924,42.182 46.346,42.605 46.346,46.185 45.158,47.373
GND on Top Layer "GND_L01_P130" (solid, remove dead copper, pour order 130): 13.892,14.762 13.892,104.602 cw(c18.972,104.602) 18.972,109.682 58.465,109.682 58.471,109.688 cw(c58.471,104.608) 63.551,104.572 63.541,104.57 63.541,14.767 63.55,14.761 cw(c58.47,14.761) 58.47,9.681 58.456,9.682 18.972,9.682 cw(c18.972,14.762)
EPD_VPOS_+15V on Top Layer "EPD_VPOS_+15V_L01_P121" (solid, pour order 121): 41.049,58.678 41.049,59.488 37.949,59.488 37.82,59.359 37.82,58.805 37.948,58.678
EPD_VNEG_-15V on Top Layer "EPD_VNEG_-15V_L01_P062" (solid, pour order 62): 41.049,57.678 41.049,58.488 37.949,58.488 37.82,58.359 37.82,57.805 37.948,57.678
VCC_5V0 on Bottom Layer "VCC_5V0_L04_P113" (solid, pour order 113): 20.109,57.544 20.109,58.481 29.877,68.248 46.169,68.248 57.699,79.779 59.203,79.779 59.203,75.803 47.438,64.037 31.738,64.037 25.245,57.544
GND on Bottom Layer "GND_L04_P136" (solid, remove dead copper, pour order 136): 13.892,14.762 13.892,104.602 cw(c18.972,104.602) 18.972,109.682 58.465,109.682 58.471,109.688 cw(c58.471,104.608) 63.551,104.572 63.541,104.57 63.541,14.767 63.55,14.761 cw(c58.47,14.761) 58.47,9.681 58.456,9.682 18.972,9.682 cw(c18.972,14.762)
VCC_5V0 on Bottom Layer "VCC_5V0_L04_P132" (solid, pour order 132): 20.109,57.634 20.109,47.579 21.051,46.637 24.376,46.637 25.309,47.57 25.309,57.608
NetC10_1 on Bottom Layer "NETC10_1_L04_P122" (solid, remove dead copper, pour order 122): 38.944,93.663 45.681,93.663 47.022,92.322 47.021,92.322 47.021,89.091 46.554,88.624 39.745,88.624 38.074,90.295 38.074,92.792
EPD_VNEG_-15V on Bottom Layer "EPD_VNEG_-15V_L04_P119" (solid, pour order 119): 40.067,58.369 37.981,58.369 37.825,58.213 37.825,57.126 37.984,56.968 40.069,56.968
EPD_VPOS_+15V on Bottom Layer "EPD_VPOS_+15V_L04_P117" (solid, pour order 117): 40.07,60.139 37.984,60.139 37.828,59.984 37.828,58.896 37.987,58.738 40.072,58.738
EPD_VEE_-20V on Bottom Layer "EPD_VEE_-20V_L04_P116" (solid, pour order 116): 40.048,73.717 39.263,73.717 39.107,73.561 39.107,72.474 39.266,72.315 40.05,72.315
EPD_VGG_+22V on Bottom Layer "EPD_VGG_+22V_L04_P115" (solid, pour order 115): 40.048,71.909 39.263,71.909 39.107,71.754 39.107,70.667 39.266,70.508 40.05,70.508
EPD_VCOM on Bottom Layer "EPD_VCOM_L04_P114" (solid, pour order 114): 40.048,70.102 39.263,70.102 39.107,69.947 39.107,68.859 39.266,68.701 40.05,68.701
VCC_3V3 on Power2 "VCC_3V3_L03_P134" (solid, remove dead copper, pour order 134): 22.596,19.95 58.852,19.95 62.761,23.86 62.761,91.147 58.195,95.714 23.806,95.714 18.619,90.528 18.619,23.927
VCC_5V0 on Power2 "VCC_5V0_L03_P128" (solid, pour order 128): 60.275,24.288 58.127,24.288 41.236,41.179 33.965,41.179 33.661,41.484 33.661,42.694 33.991,43.025 42.179,43.025 55.988,29.215 60.446,29.215 61.487,28.175 61.487,25.5
VCC_5V0_EPD_PWR on Power2 "VCC_5V0_EPD_PWR_L03_P131" (solid, pour order 131): 33.591,89.018 36.312,86.297 57.036,86.297 57.069,92.471 34.758,92.471 33.591,91.303
GND on Power2 "GND_L03_P135" (solid, remove dead copper, pour order 135): 13.892,14.762 13.892,104.602 cw(c18.972,104.602) 18.972,109.682 58.465,109.682 58.471,109.688 cw(c58.471,104.608) 63.551,104.572 63.541,104.57 63.541,14.767 63.55,14.761 cw(c58.47,14.761) 58.47,9.681 58.456,9.682 18.972,9.682 cw(c18.972,14.762)
GND on Power1 "GND_L02_P127" (solid, remove dead copper, pour order 127): 13.892,14.762 13.892,104.602 cw(c18.972,104.602) 18.972,109.682 58.465,109.682 58.471,109.688 cw(c58.471,104.608) 63.551,104.572 63.541,104.57 63.541,14.767 63.55,14.761 cw(c58.47,14.761) 58.47,9.681 58.456,9.682 18.972,9.682 cw(c18.972,14.762)

## Keep-outs
Keep-Out Layer:
  lines w0.254: 58.456,9.682 18.972,9.682 cw(c18.972,14.762) 13.892,14.762 13.892,104.602 cw(c18.972,104.602) 18.972,109.682 58.465,109.682 ; 58.47,9.681 ccw(c58.47,14.761) 63.55,14.761 ; 58.471,109.688 cw(c58.471,104.608) 63.551,104.572 ; 63.548,14.754 63.548,104.557

## Other copper
Top Layer:
  pour cut-out: 13.889,18.068 43.822,18.068 50.158,24.403 50.158,28.565 43.944,34.779 13.92,34.779 13.906,34.793
  pour cut-out: 41.416,59.534 41.41,59.528 37.78,59.528 37.475,59.223 37.475,57.39 37.786,57.079 41.416,57.079 41.416,45.92 40.592,45.097 27.186,45.097 23.838,48.445 21.43,48.445 21.033,48.047 21.033,46.852 22.787,45.097 13.878,45.097 13.878,79.887 13.904,79.86 32.807,79.86 41.416,71.252
  pour cut-out: 44.281,94.056 44.281,95.223 45.507,96.45 45.507,94.662 45.763,94.405 45.763,94.032 45.664,93.932 44.405,93.932

## Silkscreen, mask and mechanical layers (free items; w line width, h text height)
Top Overlay:
  text "EPD TestBench" at 40.128,106.418 h3.5
  text "-15V" at 47.254,102.219 h1.27
  text "+15V" at 49.49,102.219 h1.27
  text "DC_12V" at 18.13,101.025 h2.54 r90
  text "PWRGOOD" at 31.611,99.769 h1.27
  text "+12V" at 16.409,95.55 h1.27
  text "VCOM" at 25.149,94.181 h1.27 r90
  text "-15V /  / +15V /  / Vcom /  / -20V /  / +22V /  / 3V3 /  / 5V0 /  / GND" at 60.215,81.799 h1.62
  text "+5V" at 60.147,79.301 h1.27
  text "+22V" at 46.983,78.484 h1.27 r270
  text "-20V" at 35.832,78.459 h1.27 r270
  text "EPD_TX" at 39.405,67.301 h2.54 r90
  text "TP_STOP FP_INT /  / SDA LED /  / SCL RXD /  / TP_RST TXD /  / TP_INT 3V3" at 26.797,59.521 h1.62 r270
  text "JLCJLCJLCJLC" at 44.482,55.074 h1.52 r90
  text "MISO MOSI  CLK   SS" at 20.502,40.053 h1.62
  text "USB_KB" at 48.514,38.957 h2.54
  text "SDA   SCL" at 20.745,34.306 h1.62
  text "3V3  GND" at 25.825,34.306 h1.62
  text "RGB_RX" at 19.85,29.577 h2.54
  text "Hanley_Yao / 20230714" at 41.123,11.418 h4.5
Mechanical 1:
  lines w0.1: 13.892,14.762 ccw(c18.972,14.762) 18.972,9.682 58.456,9.682 58.47,9.681 ccw(c58.47,14.761) 63.55,14.761 63.541,14.767 63.541,104.57 63.551,104.572 ccw(c58.471,104.608) 58.471,109.688 58.465,109.682 18.972,109.682 ccw(c18.972,104.602) 13.892,104.602 13.892,14.762 ; 21.378,104.19 21.378,106.59 23.778,106.59 23.778,104.19 21.378,104.19

## Text inside footprints (layer, text, board x,y; h text height)
U1: Bottom Overlay "+" at 24.113,80.315 h2.03 r90; Bottom Overlay "+" at 23.986,60.376 h2.03 r90; Bottom Overlay "-" at 34.696,78.689 h2.03; Bottom Overlay "-" at 34.696,58.624 h2.03